# Altium PCB PCB1.PcbDoc (continued)
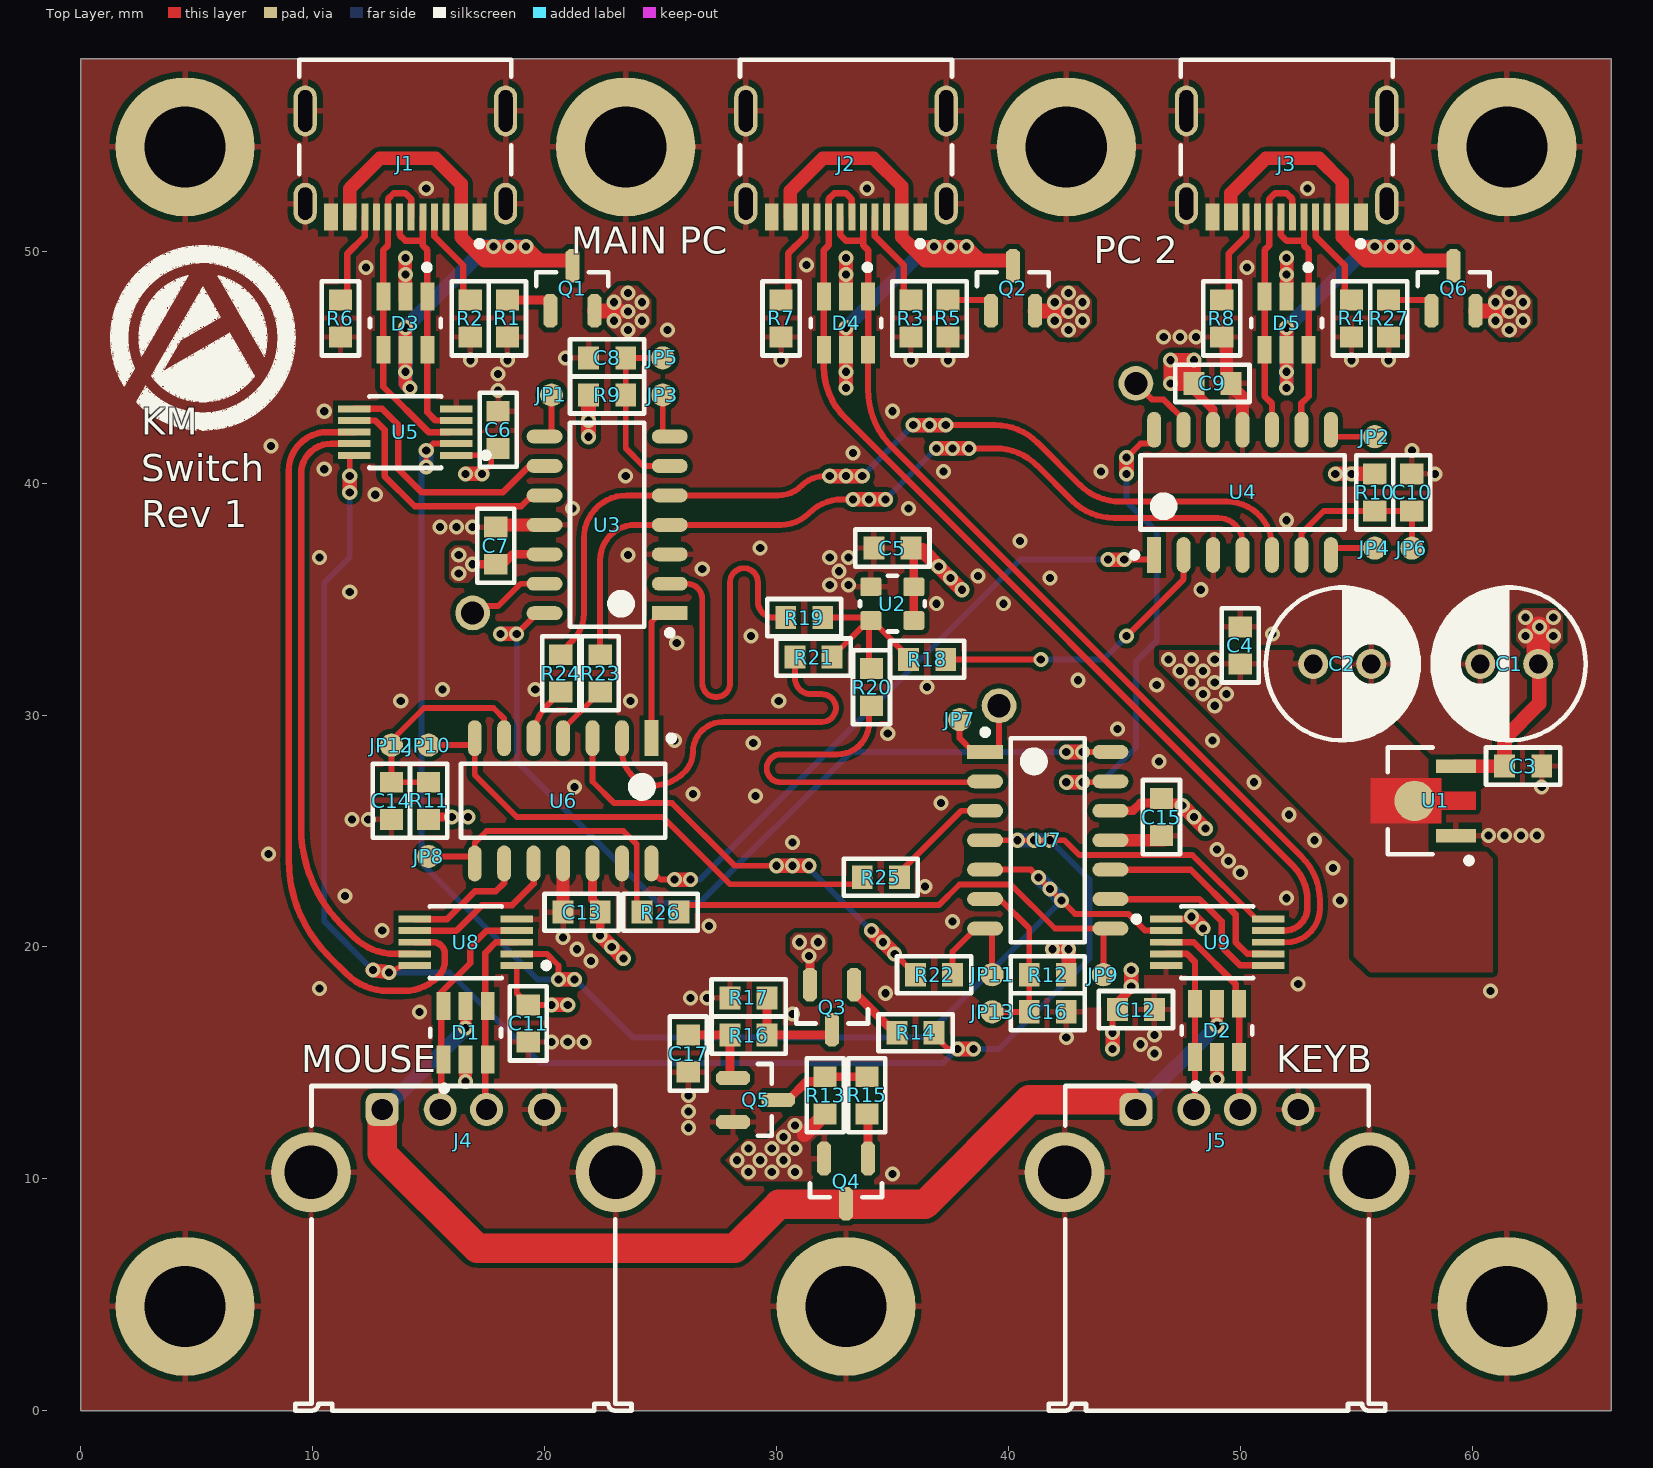
[diagram p0: Top Layer view]
## Components (designator, comment, footprint, x,y, rotation, side; value= is the part's Value field where it differs from the comment) (continued)
R6 "5.1K, *" Size_0603_N 11.2,47.1 r90 top value=5.1K
R7 "5.1K, *" Size_0603_N 30.2,47.1 r90 top value=5.1K
R8 "5.1K, *" Size_0603_N 49.2,47.1 r90 top value=5.1K
R9 "10K, *" Size_0603_N 22.7,43.8 r0 top value=10K
R10 "10K, *" Size_0603_N 55.8,39.6 r270 top value=10K
R11 "10K, *" Size_0603_N 15,26.3 r90 top value=10K
R12 "10K, *" Size_0603_N 41.7,18.8 r180 top value=10K
R13 "10K, *" Size_0603_N 32.1,13.6 r90 top value=10K
R14 "10K, *" Size_0603_N 36,16.3 r0 top value=10K
R15 "10K, *" Size_0603_N 33.9,13.6 r90 top value=10K
R16 "10K, *" Size_0603_N 28.8,16.2 r0 top value=10K
R17 "10K, *" Size_0603_N 28.8,17.8 r0 top value=10K
R18 "0R, *" Size_0603_N 36.5,32.4 r180 top value=0R
R19 "0R, *" Size_0603_N 31.2,34.2 r0 top value=0R
R20 "0R, *" Size_0603_N 34.1,31.2 r90 top value=0R
R21 "0R, *" Size_0603_N 31.6,32.5 r0 top value=0R
R22 "0R, *" Size_0603_N 36.8,18.8 r180 top value=0R
R23 "0R, *" Size_0603_N 22.4,31.8 r90 top value=0R
R24 "0R, *" Size_0603_N 20.7,31.8 r90 top value=0R
R25 "0R, *" Size_0603_N 34.5,23 r0 top value=0R
R26 "0R, *" Size_0603_N 25,21.5 r180 top value=0R
R27 "10k, *" Size_0603_N 56.4,47.1 r90 top value=10k
U1 "AZ1117CR-3.3TRG1" FP-SOT89-MFG 57.665,26.3 r90 top
U2 "1-OSC" 2520osc 35,34.8 r180 top
U3 "MCU_ATSAMD11C14" SOIC127P600X175-14N 22.7,38.2 r180 top
U4 "MCU_ATSAMD11C14" SOIC127P600X175-14N 50.1,39.6 r90 top
U5 "FSUSB42MUX" FP-846AP-MFG 14,42.2 r180 top
U6 "MCU_ATSAMD11C14" SOIC127P600X175-14N 20.8,26.3 r270 top
U7 "MCU_ATSAMD11C14" SOIC127P600X175-14N 41.7,24.6 r0 top
U8 "FSUSB42MUX" FP-846AP-MFG 16.6,20.2 r180 top
U9 "FSUSB42MUX" FP-846AP-MFG 49,20.2 r0 top

## Footprints (in the part's own frame and the unit in brackets; to place one, negate y for a bottom-side part, rotate by r counter-clockwise, add the part's x,y. Pads: shape width x height; smd on the part's side, far side on the other; paste and mask are expansions set on the pad)
2520osc [mm]
  rrect20% 0.9x0.8 smd: 1(-0.925,-0.725) 2(0.925,-0.725) 3(0.925,0.725) 4(-0.925,0.725)
  silkscreen extent -1.4,-1.2 1.4,1.2
61400416021 [mm] "USB 2.0 Type A Horizontal"
  rrect50% 1.42x1.42 hole 0.92: 1(-3.5,5.99)
  round 1.42 hole 0.92: 2(-1,5.99) 3(1,5.99) 4(3.5,5.99)
  round 3.45 hole 2.3: Shell(-6.57,3.28) Shell(6.57,3.28)
  silkscreen extent -7.25,-7 7.25,7, body extent -8,-7 8,7, height 7.63
FP-846AP-MFG [mm]
  rect 1.4x0.3 smd paste+0 mask+0: 1(-2.2,1) 2(-2.2,0.5) 3(-2.2,0) 4(-2.2,-0.5) 5(-2.2,-1) 6(2.2,-1) 7(2.2,-0.5) 8(2.2,0) 9(2.2,0.5) 10(2.2,1)
  silkscreen extent -3.6,-1.55 1.55,1.55, body extent -3,-1.65 3,1.65, height 0.25
FP-2171790001-MFG [mm]
  rrect100% 1x1.8 hole 1.4 slot 0.6 at 0 deg paste-1000 mask+0: 1(-4.32,2.85) 2(4.32,2.85)
  rrect100% 1x2.2 hole 1.8 slot 0.6 at 0 deg paste-1000 mask+0: 3(-4.32,-1.15) 4(4.32,-1.15)
  rect 0.6x1.15 smd paste+0 mask+0: A1-B12(-3.2,3.425) A4-B9(-2.4,3.425) B1-A12(3.2,3.425) B4-A9(2.4,3.425)
  rect 0.3x1.15 smd paste+0 mask+0: A5(-1.25,3.425) A6(-0.25,3.425) A7(0.25,3.425) A8(1.25,3.425) B5(1.75,3.425) B6(0.75,3.425) B7(-0.75,3.425) B8(-1.75,3.425)
  silkscreen extent -4.57,-3.35 4.57,4.7, body extent -4.92,-3.45 4.92,4.1, height 0.25
FP-SOT23-6L-MFG [mm]
  rect 1.2x0.6 smd paste+0 mask+0: 1(-1.15,0.95) 2(-1.15,0) 3(-1.15,-0.95) 4(1.15,-0.95) 5(1.15,0) 6(1.15,0.95)
  silkscreen extent -2.52,-1.53 0.18,1.53, body extent -1.85,-1.63 1.85,1.63, height 0.25
FP-SOT89-MFG [mm]
  rect 0.58x1.73 smd paste+0 mask+0: 1(-1.5,-1.635) 3(1.5,-1.635)
  round 1.74 smd paste+0 mask+0: 2(0,0.146)
  Top Layer region: -0.38,-2.5 -0.38,-1 -0.967,-1 -0.967,2.03 0.967,2.03 0.967,-1 0.38,-1 0.38,-2.5
  silkscreen extent -2.7,-2.33 2.3,1.3, body extent -2.4,-2.6 2.4,2.13, height 0.25
Pogo_254 [mm]
  round 1 smd: 1(0,0)
  body extent -0.5,-0.5 0.5,0.5, height 0.25
Size_0603_N [mm] "Chip Resistor, Body 1.6x0.8mm, IPC Medium Density"
  rect 0.9x1 smd: 1(-0.8,0) 2(0.8,0)
  silkscreen extent -1.6,-0.8 1.6,0.8, body extent -0.8,-0.4 0.8,0.4, height 0.46
SOIC127P600X175-14N [mm] "SOIC, 14-Leads, Body 8.63x3.90mm, Pitch 1.27mm, IPC Medium Density"
  rect 1.55x0.6 smd: 1(-2.7,3.81)
  oval 1.55x0.6 smd: 2(-2.7,2.54) 3(-2.7,1.27) 4(-2.7,0) 5(-2.7,-1.27) 6(-2.7,-2.54) 7(-2.7,-3.81) 8(2.7,-3.81) 9(2.7,-2.54) 10(2.7,-1.27) 11(2.7,0) 12(2.7,1.27) 13(2.7,2.54) 14(2.7,3.81)
  silkscreen extent -2.83,-4.4 1.6,4.78, body extent -3.03,-4.37 3.03,4.38, height 1.9
SOT23-3 [mm]
  oct 1.45x0.6 smd: 1(-0.975,0.95) 2(-0.975,-0.95) 3(0.975,0)
  silkscreen extent 0.1,-1.55 0.7,1.55, body extent -1.4,-1.45 1.4,1.45, height 1.3
"TH CAP AL-6.3X11MM-A1K2" [mm] "Aluminum Electrolytic Capacitor, Diameter 6.3mm, Height 11mm, Pitch 2.5mm"
  round 1.3 hole 0.8: 1(-1.25,0) 2(1.25,0)
  silkscreen extent -3.3,-3.3 3.3,3.3, body extent -3.15,-3.15 3.16,3.15, height 11.21

## Part data
C1 C2: library part "-Cap Pol", "CAP, CER"
C3 C4 C5 C6 C7 C8 C9 C10 C11 C12 C13 C14 C15 C16 C17: library part "-Cap Non-Pol", "=Value"
D1 D2 D3 D4 D5: library part CMP-2000-07370-2, "TVS DIODE 5.25V 17V SOT23-6", Breakdown Voltage=6V, Capacitance=3pF, Clamping Voltage=17V, Manufacturer=STMicroelectronics, Max Junction Temp=+125°C, Package=SOT23-6L, Peak Pulse Power=130W, Temperature="-40°C to +125°C", Temperature Range Low=-40°C, Automotive=No, Category=Diode, ComponentLink2Description=Datasheet, ComponentLink2URL=https://upverter.com/datasheet/23dc4ffb028d868909e80577610284b194f13213.pdf, Device Class L1="Circuit Protection", Device Class L2="ESD and Circuit Protection ICs", Device Class L3=unset, Digikey Description="TVS DIODE 5.25V 17V SOT23-6", Direction=Unidirectional, Height=1.45mm, Interface=USB,Ethernet,Other, Lead Free=Yes, Manufacturer Part Number=USBLC6-4SC6, Mouser Description="USBLC6 Series 4 Line 6 V Uni / Bi-Directional ESD Protection - SOT-23-6", Number of Channels=4, Octopart=https://octopart.com/usblc6-4sc6-stmicroelectronics-347147, RoHS=TRUE, Standoff Height=0mm, Temperature Range High=+125°C
J1 J2 J3: library part CMP-04767-000028-2, "CONN RCP USB2.0 TYP C 24P SMD RA", Current Rating=1.25A, Max Operating Temperature=85°C, Min Operating Temperature=-40°C, Voltage Rating=30V, Contact Material="Gold, Nickel", Gender=Receptacle, Height=3.36mm, NexarPartId=117190526, Number of Contacts=16, USB Standard="USB 2.0"
J4 J5: library part CMP-1502-03227-2, Color=White, Contact Resistance=20mΩ, Current Rating=1.5A, Flammability Rating="UL94 V-0", Insulation Resistance=1GΩ, Max Operating Temperature=105°C, Min Operating Temperature=-40°C, Operating Supply Voltage=30V, Connector Type=USB, Contact Material=Copper, Contact Plating=Gold, Gender=Receptacle, Insulation Material=PBT, Lead Free="Lead Free", Length=15.8mm, Mount="Horizontal, Through Hole", NexarPartId=21041530, Number of Contacts=4, Number of Pins=4, Number of Ports=1, Number of Positions=4, Orientation=Horizontal, REACH SVHC=Unknown, RoHS=Compliant, Termination=Solder, USB Standard="USB 2.0", Voltage Rating=30V, Voltage Rating (DC)=30V, Width=14.4mm
Q1 Q2 Q4 Q6: library part 1-Mosfet_P, "P-Channel Enhancement Mosfet"
Q3: library part 1-BJT-PNP
Q5: library part 1-BJT_NPN, "NPN General Purpose"
R1 R2 R3 R4 R5 R6 R7 R8 R9 R10 R11 R12 R13 R14 R15 R16 R17 R18 R19 R20 R21 R22 R23 R24 R25 R26 R27: library part -Res, "=Value", Tolerance=1%
U1: library part CMP-12756-000007-1, "IC REG LINEAR 3.3V 800MA SOT89", Dropout Voltage=1.2V, Manufacturer="Diodes Inc.", Max Junction Temp=+125°C, Max Supply Voltage=15V, Nominal Supply Current=4mA, Output Current=1.35A, Output Voltage=3.3V, Package=SOT89, Temperature="-20°C to +125°C", Temperature Range Low=-20°C, Accuracy Percentage=1%, Automotive=No, Category=IC, ComponentLink2Description=Datasheet, ComponentLink2URL=https://www.diodes.com/assets/Datasheets/AZ1117C.pdf, Device Class L1="Integrated Circuits (ICs)", Device Class L2="Power Management ICs", Device Class L3="Voltage Regulators - Linear", Digikey Description="IC REG LINEAR 3.3V 800MA SOT89", Footprint Url=https://www.diodes.com/assets/Package-Files/SOT89.pdf, Height=1.6mm, Lead Free=Yes, Manufacturer Part Number=AZ1117CR-3.3TRG1, Mouser Description="DiodesZetex AZ1117CR-3.3TRG1, LDO Regulator, 800mA, 3.3 V, ±1% 3-Pin, SOT-89", Number Of Outputs=1, Octopart=https://octopart.com/az1117cr-3.3trg1-diodes+inc.-30954805, Output Type=Fixed, RoHS=TRUE, Temperature Range High=+125°C
U5 U8 U9: library part CMP-07103-000004-1, "IC USB SWITCH DPDT 10MSOP", Case/Package=MSOP, Current=100mA, Max Operating Temperature=85°C, Max Supply Voltage=4.3V, Min Operating Temperature=-40°C, Min Supply Voltage=3V, On-State Resistance=6.5R, Package Quantity=1, Data Rate=480Mbps, Height=0.85mm, Lead Free="Lead Free", Length=3mm, Mount="Surface Mount", Number of Channels=2, Number of Inputs=2, Number Of Outputs=4, Number of Pins=10, Operating Supply Voltage=4.3V, Packaging="Tape and Reel", Radiation Hardening=No, REACH SVHC="No SVHC", Supply Type=Single, Throw Configuration=DPDT, Voltage=4.3V, Weight=0.1125g, Width=3mm

## Free pads (board coordinates)
  round 6 hole 3.5: 6(4.5,54.5) 7(23.5,54.5) 8(42.5,54.5) 9(61.5,54.5) 10(4.5,4.5) 11(61.5,4.5) 12(33,4.5)
  round 1.5 hole 1: 13(16.9,34.4) 14(45.5,44.3) 15(39.6,30.4)

## Via types
v1: diameter 0.65, hole 0.35, Top Layer to Bottom Layer, tented both sides, 288 vias

## Nets (pads, with @x,y where several pads share a name; then routed paths per layer and width w, separated by ;. In a path a pad name is that pad's centre, name@x,y a point inside that pad or via, vN(x,y) a via of type N, cw(c..) or ccw(c..) an arc to the next point about the centre after c; other vN are vias at no path point)
1C0P0: R23.2 U3.4 U4.4 | length 38.8
  Top Layer w0.254: R23.2@22.4,32.645 22.4,36.684 cw(c23.916,36.684) 23.916,38.2 U3.4 30.193,38.2 ccw(c30.193,39.907) 31.4,38.7 cw(c32.849,37.251) 32.849,39.3 v1(33.3,39.3) ; v1(38.3,41.5) 39.448,41.5 cw(c39.448,38.96) 41.244,40.756 42.756,39.244 ccw(c44.552,41.04) 44.552,38.5 49.047,38.5 cw(c49.047,37.447) 50.1,37.447 U4.4
  Top Layer w0.635: v1(33.3,39.3) v1(34,39.3) v1(34.7,39.3) ; v1(36.9,41.5) v1(37.6,41.5) v1(38.3,41.5)
  Bottom Layer w0.254: v1(34.7,39.3) v1(36.9,41.5)
  Bottom Layer w0.635: v1(33.3,39.3) v1(34,39.3) v1(34.7,39.3) ; v1(36.9,41.5) v1(37.6,41.5) v1(38.3,41.5)
1C0P1: R24.2 U3.5 U4.5 | length 42.4
  Top Layer w0.254: R24.2@20.8,32.8 21.22,33.22 ccw(c20.063,34.378) 21.7,34.378 21.7,37.64 cw(c23.53,37.64) 23.53,39.47 U3.5 30.062,39.47 ccw(c30.062,40.938) 31.1,39.9 cw(c32.066,38.934) 32.066,40.3 v1(32.3,40.3) ; v1(37.3,42.5) 39.448,42.5 cw(c39.448,39.96) 41.244,41.756 43.056,39.944 ccw(c44.852,41.74) 44.852,39.2 49.433,39.2 cw(c49.433,37.263) 51.37,37.263 U4.5
  Top Layer w0.635: v1(32.3,40.3) v1(33,40.3) v1(33.7,40.3) ; v1(35.9,42.5) v1(36.6,42.5) v1(37.3,42.5)
  Bottom Layer w0.254: v1(33.7,40.3) v1(35.9,42.5)
  Bottom Layer w0.635: v1(32.3,40.3) v1(33,40.3) v1(33.7,40.3) ; v1(35.9,42.5) v1(36.6,42.5) v1(37.3,42.5)
1C1P0: R25.2 U7.3 | length 4.8
  Top Layer w0.254: R25.2@35.315,23.215 37.97,25.87 U7.3
1C1P1: JP9.1 R26.1 U7.8 | length 21.8
  Top Layer w0.254: R26.1 26.1,21.8 37,21.8 37.894,22.694 40.106,22.694 42.01,20.79 44.1,20.79 U7.8 ; JP9.1 U7.8@44.1,20.7
1C1P3: R22.2 U6.3 | length 21.9
  Top Layer w0.254: U6.3 22.07,27.13 23,26.2 25.5,26.2 28.2,23.5 v1(30,23.5) ; v1(35.1,19.7) 35.9,18.9 R22.2@35.9,18.892
  Top Layer w0.635: v1(30,23.5) v1(30.7,23.5) v1(31.4,23.5) ; v1(34.1,20.7) v1(34.6,20.2) v1(35.1,19.7)
  Bottom Layer w0.254: v1@31.4,23.4 v1(34.1,20.7)
  Bottom Layer w0.635: v1(30,23.5) v1(31.4,23.5) ; v1(34.1,20.7) v1(34.6,20.2) v1(35.1,19.7)
5V: C1.1 C3.2 C6.1 C11.1 C12.1 Q1.2 Q2.2 Q4.2 Q6.2 R13.1 U1.3 U5.1 U8.1 U9.1 | length 25.4
  Top Layer w0.254: U5.1 17.7,41.2 17.7,40.8 v1(17.3,40.4) ; U8.1 18.8,18 C11.1@19.2,17.6 ; C11.1 v1(20.3,17.5) ; v1(44.5,16.3) 44.5,17.1 C12.1 ; U9.1 v1@47.9,21.2
  Top Layer w0.381: C12.1 44.7,17.6 45.3,18.2 v1(45.3,18.3)
  Top Layer w0.584: U1.3 C3.2@61.2,27.8
  Top Layer w0.635: v1(16.6,40.4) v1(17.3,40.4) ; v1(20.3,17.5) v1(21,17.5) ; Q1.2 23.275,47.425 ; 31.2,11.9 R13.1 ; Q2.2 42.275,47.425 ; v1(44.5,15.6) v1(44.5,16.3) ; v1(45.3,18.3) v1(45.3,19) ; v1(47.9,21.3) v1(48.4,20.8) ; Q6.2 61.275,47.425 ; C3.2 61.4,29 62.9,30.5 C1.1@62.9,32.3
  Top Layer w1.016: C1.1 v1@62.85,33.75
  other v1: 28.8,10.3 29.8,10.3 30.8,10.3 28.3,10.8 29.3,10.8 30.3,10.8 28.8,11.3 29.8,11.3 30.8,11.3 30.3,11.8 30.8,12.3 62.3,33.4 63.5,33.4 62.9,33.8 62.3,34.2 63.5,34.2 23.6,46.6 42.6,46.6 61.6,46.6 23,47 24.2,47 42,47 43.2,47 61,47 62.2,47 23.6,47.4 42.6,47.4 61.6,47.4 23,47.8 24.2,47.8 42,47.8 43.2,47.8 61,47.8 62.2,47.8 23.6,48.2 42.6,48.2 61.6,48.2
5VO: D1.5 D2.5 J4.1 J5.1 Q4.3 | length 50.7
  Top Layer w0.508: v1(16.6,16.5) D1.5 ; v1(49,16.6) D2.5@49,17.3
  Top Layer w1.27: J4.1 13,11.1 17.1,7 28.2,7 30.1,8.9 36.4,8.9 40.9,13.4 45.1,13.4 J5.1@45.5,13
  Bottom Layer w0.635: J4.1 13.09,12.99 v1(16.6,16.5) ; J5.1 45.5,13.1 v1(49,16.6)
BTN: JP7.1 pad.15 U7.1 | length 3.5
  Top Layer w0.254: JP7.1 37.9,29 U7.1@38.5,28.4 ; U7.1@39.6,28.5 pad.15
CLK1: R21.1 U6.2 | length 15.9
  Top Layer w0.254: U6.2 23.34,28.433 ccw(c24.81,28.433) 24.81,26.963 ccw(c24.65,28.9) 26.08,27.584 ccw(c25.196,28.397) 26.397,28.397 cw(c27.7,28.397) 27.7,29.7 31.962,29.7 ccw(c31.963,30.3) 31.962,30.9 31.5,30.9 cw(c31.5,31.6) 30.8,31.6 R21.1
CLK2: R20.1 U7.2 | length 15.9
  Top Layer w0.254: R20.1@34,30.3 34,29.682 cw(c32.618,29.682) 32.618,28.3 30.184,28.3 ccw(c30.182,27.7) 30.184,27.1 38.96,27.1 ccw(c38.96,27.14) U7.2
CLK3: R19.1 U3.2 | length 16
  Top Layer w0.254: U3.2 26.14,35.66 cw(c26.14,35) 26.8,35 26.8,31.375 ccw(c27.4,31.373) 28,31.374 28,35.728 cw(c28.6,35.729) 29.2,35.728 29.2,34.9 ccw(c29.9,34.9) 29.9,34.2 R19.1
CLK4: R18.1 U4.2 | length 12.6
  Top Layer w0.254: R18.1@37.4,32.4 v1(41.4,32.4) ; v1(45.1,33.4) 47.56,35.86 U4.2
  Bottom Layer w0.254: v1(41.4,32.4) 44.1,32.4 v1(45.1,33.4)
D1C_N: D1.1 D1.6 J4.2 U8.4 | length 9.8
  Top Layer w0.279: J4.2@15.55,13.05 15.55,15.25 15.55,17.55 15.55,18.05 16.8,19.3 16.8,20 17.5,20.7 U8.4
D1C_P: D1.3 D1.4 J4.3 U8.3 | length 8.2
  Top Layer w0.279: J4.3@17.45,13.05 17.45,15.25 17.45,17.55 17.45,19.75 17.9,20.2 U8.3
D1S_N: U5.8 U8.8 | length 33.2
  Top Layer w0.279: U5.8 10.645,42.2 ccw(c10.645,40.521) 8.967,40.521 8.967,23.752 ccw(c14.806,23.752) 10.677,19.623 11.456,18.844 ccw(c13.252,20.64) 13.252,18.1 13.927,18.1 ccw(c13.927,20.207) 15.417,18.717 ccw(c14.734,19.4) 15.7,19.4 15.7,19.7 ccw(c15.2,19.7) 15.2,20.2 U8.8
D1S_P: U5.9 U8.9 | length 26.5
  Top Layer w0.279: U5.9 10.8,41.7 ccw(c10.8,40.4) 9.5,40.4 9.5,25.173 ccw(c15.47,25.173) 11.249,20.951 11.756,20.444 ccw(c13.552,22.24) 13.552,19.7 U8.9
DM1: U6.9 U8.6 | length 5.5
  Top Layer w0.279: U8.6 15.8,21.2 17,22.4 17.9,22.4 18.26,22.76 U6.9@18.26,23.8
DM2: U7.9 U9.6 | length 8.6
  Top Layer w0.279: U7.9 48.24,22.06 49.2,21.1 49.2,20 50,19.2 U9.6
DM2C: D2.1 D2.6 J5.2 U9.4 | length 7.7
  Top Layer w0.279: U9.4 47.7,19.7 48.05,19.35 D2.6 D2.1 J5.2@48.05,13.05
DM3: U3.9 U5.6 | length 10.7
  Top Layer w0.279: U5.6 13,43.2 13.7,42.5 13.7,40.6 14.7,39.6 18.2,39.6 U3.9@19.374,40.774
DM4: D5.1 D5.6 J3.A7 J3.B7 U4.9 | length 11
  Top Layer w0.279: J3.A7 51.75,50.7 52,50.45 52.75,50.45 ; U4.9 52.64,43.44 52.95,43.75 D5.6 ; J3.B7 52.75,50.45 ; D5.6@52.95,46.05 D5.1 52.95,50.05 52.75,50.25 52.75,50.45
DMO1: D3.1 D3.6 J1.A7 J1.B7 U5.4 | length 11.5
  Top Layer w0.279: J1.A7 13.75,50.7 14,50.45 14.75,50.45 ; J1.B7 14.75,50.45 ; D3.6 14.95,43.05 15.3,42.7 U5.4 ; D3.6@14.95,46.05 D3.1 14.95,50.05 14.75,50.25 14.75,50.45
DO2_N: D4.1 D4.6 J2.A7 J2.B7 U9.8 | length 42.3
  Top Layer w0.254: D4.6 33.95,44.04 ccw(c37.461,44.04) 35.012,41.524 52.654,23.882 cw(c50.772,22) 53.433,22 53.433,21.656 cw(c51.977,21.656) 51.977,20.2 U9.8
  Top Layer w0.279: J2.A7 32.75,50.7 33,50.45 33.75,50.45 ; J2.B7 33.75,50.45 ; D4.6@33.95,46.05 D4.1 33.95,50.05 33.75,50.25 33.75,50.45
DO2_P: D4.3 D4.4 J2.A6 J2.B6 U9.9 | length 43.1
  Top Layer w0.279: D4.4 32.05,44.999 ccw(c35.111,44.999) 32.946,42.835 52.277,23.505 cw(c50.772,22) 52.9,22 52.9,21.7 cw(c51.9,21.7) 51.9,20.7 U9.9 ; D4.4@32.05,45.95 D4.3 32.05,50.05 32.25,50.25 J2.B6 32.25,52.25 32.5,52.5 33,52.5 33.25,52.25 J2.A6
DP1: U6.10 U8.7 | length 7
  Top Layer w0.279: U8.7 16.2,20.7 17.3,21.8 18.6,21.8 19.53,22.73 U6.10@19.53,23.8
DP2: U7.10 U9.7 | length 9
  Top Layer w0.279: U7.10 47.87,23.33 49.8,21.4 49.8,20.2 50.3,19.7 U9.7
DP2C: D2.3 D2.4 J5.3 U9.3 | length 8.7
  Top Layer w0.279: U9.3 48,20.2 49.8,18.4 D2.4@49.8,17.8 ; J5.3@49.95,13.15 D2.3 D2.4
DP3: U3.10 U5.7 | length 10.6
  Top Layer w0.279: U5.7 12.7,42.7 13.1,42.3 13.1,40.3 14.4,39 19,39 U3.10@19.5,39.5
DP4: D5.3 D5.4 J3.A6 J3.B6 U4.10 | length 11.9
  Top Layer w0.279: D5.4 51.05,43.75 51.37,43.43 U4.10 ; D5.4@51.05,45.95 D5.3 51.05,50.05 51.25,50.25 J3.B6 51.25,52.25 51.5,52.5 52,52.5 52.25,52.25 J3.A6
DPO1: D3.3 D3.4 J1.A6 J1.B6 U5.3 | length 13.6
  Top Layer w0.279: D3.4 13.05,44.15 15,42.2 U5.3@15.9,42.2 ; D3.4@13.05,45.95 D3.3 13.05,50.05 13.25,50.25 J1.B6 13.25,52.25 13.5,52.5 14,52.5 14.25,52.25 J1.A6
GND: C1.2 C2.2 C3.1 C4.1 C5.1 C6.2 C7.2 C8.1 C9.2 C10.1 C11.2 C12.2 C13.2 C14.1 C15.2 C16.1 C17.1 D1.2 D2.2 D3.2 D4.2 D5.2 J1.1 J1.2 J1.3 J1.4 J1.A1-B12 J1.A8 J1.B1-A12 J1.B8 J2.1 J2.2 J2.3 J2.4 J2.A1-B12 J2.A8 J2.B1-A12 J2.B8 J3.1 J3.2 J3.3 J3.4 J3.A1-B12 J3.A8 J3.B1-A12 J3.B8 J4.4 J4.Shell J5.4 J5.Shell pad.6 pad.7 pad.8 pad.9 pad.10 pad.11 pad.12 Q5.2 R1.1 R2.1 R3.1 R4.1 R5.1 R6.1 R7.1 R8.1 R17.1 R27.1 U1.1 U2.2 U3.3 U3.11 U4.3 U4.11 U5.5 U6.11 U6.13 U7.11 U8.5 U9.5 | length 17.7
  Top Layer w0.559: v1(16.6,14.2) D1.2 ; C7.2@18,38.2 U3.11 ; C13.2 U6.11 ; U7.11 C15.2@46.7,24.6 ; v1(49,14.3) D2.2@49,15.2 ; R8.1@49.4,46.2 49.4,44.5 C9.2 ; C9.2@49.6,44.2 50.1,43.7 U4.11
  Top Layer w0.584: D3.2@14,47.9 D3.2 v1(14,49) v1(14,49.7) ; D4.2@33,47.9 D4.2 v1(33,49) v1(33,49.7) ; D5.2@52,47.9 D5.2 v1(52,49) v1(52,49.7)
  other v1: 35,10.2 26.2,12.2 26.2,12.9 26.2,13.6 46.3,15.4 45.7,15.8 20.3,15.9 21,15.9 21.7,15.9 42.5,16.1 46.3,16.2 30.7,17.1 14.6,17.2 26.3,17.8 27,17.8 34.7,18 60.8,18.1 10.3,18.2 52.5,18.4 22,19.4 21.4,19.9 20.8,20.4 13,20.7 27.1,20.9 37.6,21.1 54.3,22 52,22.1 11.4,22.2 36.4,22.6 50,23.2 54,23.4 49.5,23.7 8.1,24 49,24.2 30.7,24.5 53.2,24.6 60.7,24.8 61.4,24.8 62.1,24.8 62.8,24.8 11.7,25.5 12.4,25.5 52.1,25.7 37.1,26.2 29.1,26.5 26.4,26.6 21.3,26.9 63,26.9 50.6,27.1 46.5,28 29,28.8 25.6,28.9 48.8,28.9 34.8,29.2 44.7,29.4 13.8,30.6 23.7,30.6 30.1,30.6 15.6,31.1 19.6,31.1 36.5,31.2 46.4,31.3 43,31.5 25.7,33.1 28.9,33.4 51.4,33.5 54.9,33.7 55.6,33.7 56.3,33.7 59.7,33.7 60.4,33.7 61.1,33.7 55.2,34.3 56,34.3 60,34.3 60.7,34.3 36.9,34.8 39.8,34.8 11.6,35.3 48.3,35.4 32.3,35.6 33.1,35.6 41.8,35.9 38.7,36 32.7,36.2 26.8,36.3 10.3,36.8 32.3,36.8 33.1,36.8 23.6,36.9 29.3,37.2 40.5,37.5 15.5,38.1 16.2,38.1 16.9,38.1 52,38.4 21.2,38.9 35.7,38.9 12.7,39.5 23.5,40.3 58.4,40.4 37.2,40.5 44,40.5 10.5,40.6 33.3,41.3 57.4,41.4 8.2,41.6 10.5,43.1 35,43.1 18,44 18,44.7 16.8,45.3 18.4,45.3 30.2,45.3 35.8,45.3 37.4,45.3 54.8,45.3 56.4,45.3 20.9,45.4 46.7,46.3 47.4,46.3 48.1,46.3 25.3,46.6 12.3,49.3 50.3,49.3 31.3,49.4 14.9,52.7 33.9,52.7 52.9,52.7
LED1: pad.13 U3.13 | length 3.6
  Top Layer w0.254: pad.13 pad.13@17.2,34.4 ; pad.13@17.1,34.7 18,34.7 18.96,35.66 U3.13
LED2: pad.14 U4.13 | length 2.9
  Top Layer w0.254: pad.14@45.7,44.1 46.2,43.6 46.7,43.6 47.56,42.74 U4.13
NetC8_2: C8.2 JP5.1 R9.2 U3.6 | length 7.7
  Top Layer w0.254: C8.2@23.4,45.4 C8.2 24.9,45.4 JP5.1 ; C8.2@23.5,45.3 23.5,41.5 24.26,40.74 U3.6
NetC10_2: C10.2 JP6.1 R10.2 U4.6 | length 7.7
  Top Layer w0.254: U4.6 52.64,37.84 53.6,38.8 R10.2 C10.2 JP6.1
NetC14_2: C14.2 JP12.1 R11.2 U6.6 | length 10.5
  Top Layer w0.254: R11.2 C14.2 JP12.1 13.4,28.9 14.8,30.3 17.8,30.3 18.26,29.84 U6.6 U6.6@18.26,28.36
NetC16_2: C16.2 JP13.1 R12.2 U7.6 | length 7.6
  Top Layer w0.254: U7.6 39.64,22.06 40.9,20.8 C16.2 JP13.1
NetC17_2: C17.2 Q5.1 R16.1 | length 3.5
  Top Layer w0.381: C17.2@26.4,16.2 R16.1 28,14.475 Q5.1
NetJ1_A5: J1.A5 R2.2 | length 4
  Top Layer w0.279: J1.A5 15.25,50.65 16.5,49.4 R2.2@16.5,48
NetJ1_B5: J1.B5 R6.2 | length 3.8
  Top Layer w0.279: R6.2@11.5,48 11.5,49.9 12.25,50.65 J1.B5
NetJ2_A5: J2.A5 R3.2 | length 4
  Top Layer w0.279: J2.A5 34.25,50.65 35.5,49.4 R3.2@35.5,48
NetJ2_B5: J2.B5 R7.2 | length 3.8
  Top Layer w0.279: R7.2@30.5,48 30.5,49.9 31.25,50.65 J2.B5
NetJ3_A5: J3.A5 R4.2 | length 4
  Top Layer w0.279: J3.A5 53.25,50.65 54.5,49.4 R4.2@54.5,48
NetJ3_B5: J3.B5 R8.2 | length 3.8
  Top Layer w0.279: R8.2@49.5,48 49.5,49.9 50.25,50.65 J3.B5
NetJP1_1: JP1.1 U3.8 | length 1.7
  Top Layer w0.254: U3.8@20.3,42.1 JP1.1
NetJP2_1: JP2.1 U4.8 | length 1.9
  Top Layer w0.254: U4.8@53.9,42 JP2.1
NetJP3_1: JP3.1 U3.7 | length 1.8
  Top Layer w0.254: U3.7@25.1,42 JP3.1
NetJP4_1: JP4.1 U4.7 | length 2
  Top Layer w0.254: U4.7@53.8,37.2 JP4.1
NetJP8_1: JP8.1 R26.2 U6.8 | length 13.7
  Top Layer w0.254: JP8.1 U6.8@16.9,23.9 ; U6.8 16.99,23.9 16.99,24.49 17.5,25 23.4,25 23.975,24.425 23.975,21.725 R26.2@24.522,21.178
NetJP10_1: JP10.1 R25.1 U6.7 | length 22
  Top Layer w0.254: JP10.1 U6.7@17,28.7 ; U6.7 16.99,27.41 18.8,25.6 25.1,25.6 28,22.7 R25.1@33.4,22.7
NetJP11_1: JP11.1 R22.1 U7.7 | length 4.3
  Top Layer w0.254: R22.1 37.6,19.8 U7.7@38.5,20.7 ; JP11.1 U7.7@39.3,20.8
NetQ1_1: Q1.1 R1.2 | length 1.7
  Top Layer w0.381: R1.2 20,47.9 Q1.1@20.1,47.8
NetQ2_1: Q2.1 R5.2 | length 1.7
  Top Layer w0.254: R5.2 Q2.1@39.1,47.9
NetQ3_1: Q3.1 R14.1 | length 2.5
  Top Layer w0.381: Q3.1@33.4,18 35.1,16.3 R14.1
NetQ3_3: Q3.3 R16.2 R17.2 | length 4.5
  Top Layer w0.381: R17.2@29.6,18 R17.2 R16.2 Q3.3@32.3,16.2
NetQ4_1: Q4.1 R15.1 | length 1.8
  Top Layer w0.381: Q4.1 R15.1@33.95,12.65
NetQ5_3: Q5.3 R13.2 R15.2 | length 4.2
  Top Layer w0.381: Q5.3 30.5,13.4 31.3,14.2 31.9,14.2 R13.2 R15.2
NetQ6_1: Q6.1 R27.2 | length 1.8
  Top Layer w0.254: R27.2 Q6.1@58.2,47.9
NetR18_2: R18.2 R19.2 R20.2 R21.2 U2.3 | length 8.1
  Top Layer w0.254: R19.2@31.687,34.213 31.7,34.2 U2.3@33.9,34.2 ; R21.2 U2.3@33.9,34 ; R20.2@34,32.4 34,34 U2.3 ; U2.3@34.3,33.9 35.6,32.6 R18.2@35.6,32.4
NetR23_1: R23.1 U6.4 | length 2.4
  Top Layer w0.254: U6.4 20.8,29.4 R23.1@22.2,30.8
NetR24_1: R24.1 U6.5 | length 2.1
  Top Layer w0.254: U6.5 cw(c21.534,29) 20.117,30.417 R24.1@20.5,30.8
O1_5V: D3.5 J1.A4-B9 J1.B4-A9 Q1.3 | length 31.9
  Top Layer w0.584: J1.B4-A9 11.6,52.7 12.9,54 15.3,54 16.4,52.9 J1.A4-B9 16.4,50.6 16.8,50.2 ; v1(14,46.7) D3.5 v1(14,44.8) 14,44.3 v1(14.2,44.1) ; 19.4,49.9 17.1,49.9 ; Q1.3@21,49.6 19.8,49.6 ; 16.8,50.2 17.1,49.9 ; 16.8,50.2 v1(17.8,50.2) v1(18.5,50.2) v1(19.2,50.2) 19.45,49.95 19.8,49.6 ; 17.1,49.9 17.4,49.6 19.8,49.6
  Bottom Layer w0.635: v1(14.2,44.1) 14,44.3 v1(14,44.8) v1(14,46.7) 17.5,50.2 v1(17.8,50.2) v1(18.5,50.2) v1(19.2,50.2)
O2_5V: D4.5 J2.A4-B9 J2.B4-A9 Q2.3 | length 31.6
  Top Layer w0.584: J2.B4-A9 30.6,52.6 32,54 34.2,54 35.4,52.8 J2.A4-B9 35.4,50.6 35.8,50.2 ; v1(33,44.1) v1(33,44.8) D4.5 v1(33,46.7) ; 38.4,49.9 36.1,49.9 ; Q2.3@40,49.6 39.4,49.6 38.8,49.6 ; 35.8,50.2 36.1,49.9 ; 35.8,50.2 v1(36.8,50.2) v1(37.5,50.2) v1(38.2,50.2) 38.45,49.95 38.8,49.6 ; 36.1,49.9 36.4,49.6 38.8,49.6
  Bottom Layer w0.584: v1(33,44.1) v1(33,44.8) v1(33,46.7) 36.5,50.2 v1(36.8,50.2) v1(37.5,50.2) v1(38.2,50.2)
O3_5V: D5.5 J3.A4-B9 J3.B4-A9 Q6.3 | length 31.7
  Top Layer w0.584: J3.B4-A9 49.6,52.5 51.1,54 53.4,54 54.4,53 J3.A4-B9 54.4,50.6 54.8,50.2 ; v1(52,44.1) v1(52,44.8) D5.5 v1(52,46.7) ; 57.4,49.9 55.1,49.9 ; Q6.3@59,49.6 57.8,49.6 ; 54.8,50.2 55.1,49.9 ; 54.8,50.2 v1(55.8,50.2) v1(56.5,50.2) v1(57.2,50.2) 57.45,49.95 57.8,49.6 ; 55.1,49.9 55.4,49.6 57.8,49.6
  Bottom Layer w0.635: v1(52,44.1) v1(52,44.8) v1(52,46.7) 55.5,50.2 v1(55.8,50.2) v1(56.5,50.2) v1(57.2,50.2)
OE: R14.2 U5.10 U7.4 U8.10 U9.10 | length 83.4
  Top Layer w0.254: v1(11.6,40.3) U5.10@11.6,41.2 ; v1(13.3,18.9) U8.10@13.9,19.2 ; R14.2@37,16 37.4,15.6 v1(37.8,15.6) ; U7.4 v1(40.4,24.6) v1(41.1,24.6) v1(41.8,24.6) 42.425,24.6 43.062,23.963 47.937,23.963 U9.10@50.7,21.2
  Top Layer w0.635: v1(11.6,39.6) v1(11.6,40.3) ; v1(12.6,19) v1(13.3,18.9) ; v1(37.8,15.6) v1(38.5,15.6)
  Bottom Layer w0.254: v1(11.6,39.6) 11.6,36.8 10.5,35.7 10.5,21.1 v1(12.6,19) ; v1(13.3,18.9) 15.9,18.9 19.8,15 37.2,15 v1(37.8,15.6) ; v1(38.5,15.6) 39.6,15.6 43.5,19.5 43.5,22.9 v1(41.8,24.6) v1(41.1,24.6) v1(40.4,24.6)
  Bottom Layer w0.635: v1(11.6,39.6) v1(11.6,40.3) ; v1(12.6,19) v1(13.3,18.9) ; v1(37.8,15.6) v1(38.5,15.6) ; v1(40.4,24.6) v1(41.1,24.6) v1(41.8,24.6)
ONC1: U3.14 U7.14 | length 39.7
  Top Layer w0.254: v1(18.8,33.5) U3.14@19.6,34.3 ; v1(43.2,28.4) U7.14@44.5,28.4
  Top Layer w0.635: v1(18.1,33.5) v1(18.8,33.5) ; v1(42.5,28.4) v1(43.2,28.4)
  Bottom Layer w0.254: v1(18.8,33.5) 18.8,28 24.9,21.9 26.7,21.9 33.2,28.4 v1(42.5,28.4)
  Bottom Layer w0.635: v1(18.1,33.5) v1(18.8,33.5) ; v1(42.5,28.4) v1(43.2,28.4)
ONC2: U4.14 U7.13 | length 20.8
  Top Layer w0.254: v1(43.2,27.1) U7.13@44.2,27.1 ; v1(45.1,41.1) 45.7,41.7 U4.14@46.2,41.7
  Top Layer w0.635: v1(42.5,27.1) v1(43.2,27.1) ; v1(45.1,40.4) v1(45.1,41.1)
  Bottom Layer w0.254: v1(43.2,27.1) 44,27.1 45.5,28.6 45.5,32.3 46.4,33.2 46.4,37.9 45.1,39.2 v1(45.1,40.4)
  Bottom Layer w0.635: v1(42.5,27.1) v1(43.2,27.1) ; v1(45.1,40.4) v1(45.1,41.1)
SEL: U5.2 U7.5 U8.2 U9.2 | length 66.7
  Top Layer w0.254: v1(14.9,40.7) v1(14.9,41.4) 15.2,41.7 U5.2 ; U8.2 20.1,19.7 20.6,19.2 20.6,18.8 20.8,18.6 v1(20.6,18.6) ; U7.5 40.97,23.33 v1(41.3,23) v1(41.8,22.5) 42.875,21.425 45.175,21.425 45.9,20.7 U9.2
  Top Layer w0.635: v1@20.8,18.6 v1(21.3,18.6)
  Bottom Layer w0.254: v1(14.9,40.7) 14.7,40.5 14.7,23.6 19.7,18.6 v1(20.6,18.6) ; v1(21.3,18.6) 23.8,16.1 36.4,16.1 v1(42.3,22)
  Bottom Layer w0.635: v1(14.9,40.7) v1(14.9,41.4) ; v1(20.6,18.6) v1(21.3,18.6) ; v1@41.4,22.9 v1(41.8,22.5) v1(42.3,22)
SS1: U3.1 U6.1 | length 6
  Top Layer w0.254: U6.1 24.61,34.01 24.99,34.39 U3.1
SS2: U4.1 U6.14 | length 29
  Top Layer w0.254: U6.14@24.6,23.3 25,22.9 v1(25.6,22.9) ; v1(45,36.7) U4.1@46.3,36.7
  Top Layer w0.635: v1(25.6,22.9) v1(26.3,22.9) ; v1(44.3,36.7) v1(45,36.7)
  Bottom Layer w0.254: v1(25.6,22.9) v1(26.3,22.9) 26.7,22.9 40.5,36.7 v1(44.3,36.7) v1(45,36.7)
Vdd: C2.1 C4.2 C5.2 C7.1 C9.1 C13.1 C15.1 Q3.2 R9.1 R10.1 R11.1 R12.1 U1.2 U2.1 U2.4 U3.12 U4.12 U6.12 U7.12 | length 37.9
  Top Layer w0.381: R11.1@15.2,25.6 v1(16,25.6) v1(16.7,25.6) ; v1(16.9,36.5) C7.1 ; C7.1@18.1,36.4 18.63,36.93 U3.12 ; U6.12 22.07,22.03 C13.1@22.3,21.8 ; v1(22.4,20.5) C13.1@22.4,21.4 ; Q3.2 v1@31.45,19.65 ; U2.4 U2.1 C5.2@35.925,37.225 ; U7.12 45.37,25.87 45.7,26.2 46.4,26.2 C15.1 46.8,26.2 47.4,26.2 v1(47.5,26.1) ; C9.1@48,44 48.83,43.17 U4.12
  Top Layer w0.635: v1(21.9,42) v1(21.9,42.7) R9.1@21.9,43.7 ; v1(22.4,20.5) v1(22.9,20) v1(23.4,19.5) ; 36.3,37.1 v1(37,36.4) v1(37.5,35.9) v1(38,35.4) ; v1(41.9,19.9) v1(42.6,19.9) R12.1@42.6,19 ; v1@47.6,26 v1(48,25.6) v1(48.5,25.1) ; C9.1@47.8,44.3 v1(47,44.3) v1(47,45.3) ; v1(54.1,40.4) v1(54.8,40.4) R10.1 ; v1(47,45.3) v1(48,45.3) C9.1 v1(47,45.3)
  Sig2 w0.635: 49.5,40.4 v1(54.1,40.4) v1(54.8,40.4)
  other v1: 31.4,19.6 31,20.2 31.8,20.2 48.9,30.4 48.4,30.9 49.4,30.9 47.9,31.4 48.9,31.4 47.4,31.9 48.4,31.9 46.9,32.4 47.9,32.4 48.9,32.4 16.3,36.1 16.3,36.9

## Polygon pours and split planes (outlines as drawn)
GND on Top Layer "NONET_L01_P-001" (solid, remove dead copper, pour order 13): 0,0 66,0 66,58.3 0,58.3
5V on Top Layer "NONET_L01_P-001" (solid, pour order 12): 61.9,34.3 62.2,34.6 63.6,34.6 63.9,34.3 63.9,33.2 63.2,32.5 62.6,32.5 61.9,33.2
5V on Top Layer "NONET_L01_P-001" (solid, pour order 11): 61.2,46.3 60.6,46.9 60.6,47.9 61.2,48.5 62,48.5 62.6,47.9 62.6,46.9 62,46.3
5V on Top Layer "NONET_L01_P-001" (solid, pour order 10): 42.2,46.3 41.6,46.9 41.6,47.9 42.2,48.5 43,48.5 43.6,47.9 43.6,46.9 43,46.3
5V on Top Layer "NONET_L01_P-001" (solid, pour order 9): 23.2,46.3 22.6,46.9 22.6,47.9 23.2,48.5 24,48.5 24.6,47.9 24.6,46.9 24,46.3
5V on Top Layer "NONET_L01_P-001" (solid, pour order 8): 28.7,9.9 31.9,9.9 32.2,10.2 32.2,12.7 31.7,13.2 31.2,12.7 30.6,12.7 29.6,11.7 28.7,11.7 27.8,10.8
Vdd on Top Layer "NONET_L01_P-001" (solid, pour order 3): 17.2,36.8 16.7,37.3 16.1,37.3 15.9,37.1 15.9,35.9 16.1,35.7 16.7,35.7 17.2,36.2
Vdd on Top Layer "NONET_L01_P-001" (solid, pour order 1): 58.1,28.1 53.4,32.8 46.5,32.8 46.5,32.2 54.9,23.8 54.9,19.6 55.6,18.9 60.9,18.9 60.9,23.8 60.6,24.1 58.1,24.1
Vdd on Top Layer "NONET_L01_P-001" (solid, pour order 0): 31.7,19.3 32.2,19.8 32.2,20.4 32,20.6 30.8,20.6 30.6,20.4 30.6,19.8 31.1,19.3
GND on Sig1 "NONET_L01_P-001" (solid, remove dead copper, pour order 5): 0,0 0,58.3 66,58.3 66,0
5V on Sig2 "NONET_L01_P-001" (solid, remove dead copper, pour order 7): 0,0 0,58.3 66,58.3 66,0
Vdd on Sig2 "NONET_L01_P-001" (solid, pour order 6): 42.4,18.4 23.9,18.4 17.3,25 15.7,25 15.7,37.1 24.6,46 48,46 50,44 50,26
GND on Bottom Layer "NONET_L01_P-001" (solid, remove dead copper, pour order 14): 0,0 0,58.3 66,58.3 66,0

## Other copper
Top Layer:
  pour cut-out: 34.6,13.3 34.6,14 34.5,14
  pour cut-out: 23,30.4 23,29.6 23.2,29.6
  pour cut-out: 38.2,18.1 39.1,18.1 39.1,17.4
  pour cut-out: 60.3,26.7 60.3,27.2 60.9,27.2
  pour cut-out: 58.5,48.2 58.5,48.7 59,48.7
  pour cut-out: 39.5,48.1 39.5,48.7 40.1,48.7
  pour cut-out: 20.5,48.2 20.5,48.7 21,48.7
  pour cut-out: 34.7,35.1 35.5,35.1 35.5,34.9
  pour cut-out: 38.1,23.5 38.1,24.4 38.2,24.4
  pour cut-out: 41.5,17.8 42,17.8 42,17.9
  pour cut-out: 43.1,17.4 44.1,17.4 44.1,17.6

## Silkscreen, mask and mechanical layers (free items; w line width, h text height)
Top Overlay:
  drawing of 4 lines, arcs and shapes, not listed
  text "MAIN PC" at 21.147,49.5 h2
  text "PC 2" at 43.694,49.1 h2
  text "KM / Switch / Rev 1" at 2.599,37.7 h2
  text "MOUSE" at 9.499,14.2 h2
  text "KEYB" at 51.552,14.2 h2
Mechanical 1:
  the board outline again, w0.25

## Text inside footprints (layer, text, board x,y; h text height)
J4: Top 3D Body "PCB Edge" at 14.3,-1.22 h0.81
J5: Top 3D Body "PCB Edge" at 46.8,-1.22 h0.81